# Altium PCB MotherBoard.PcbDoc (part 1 of 10) (continued)
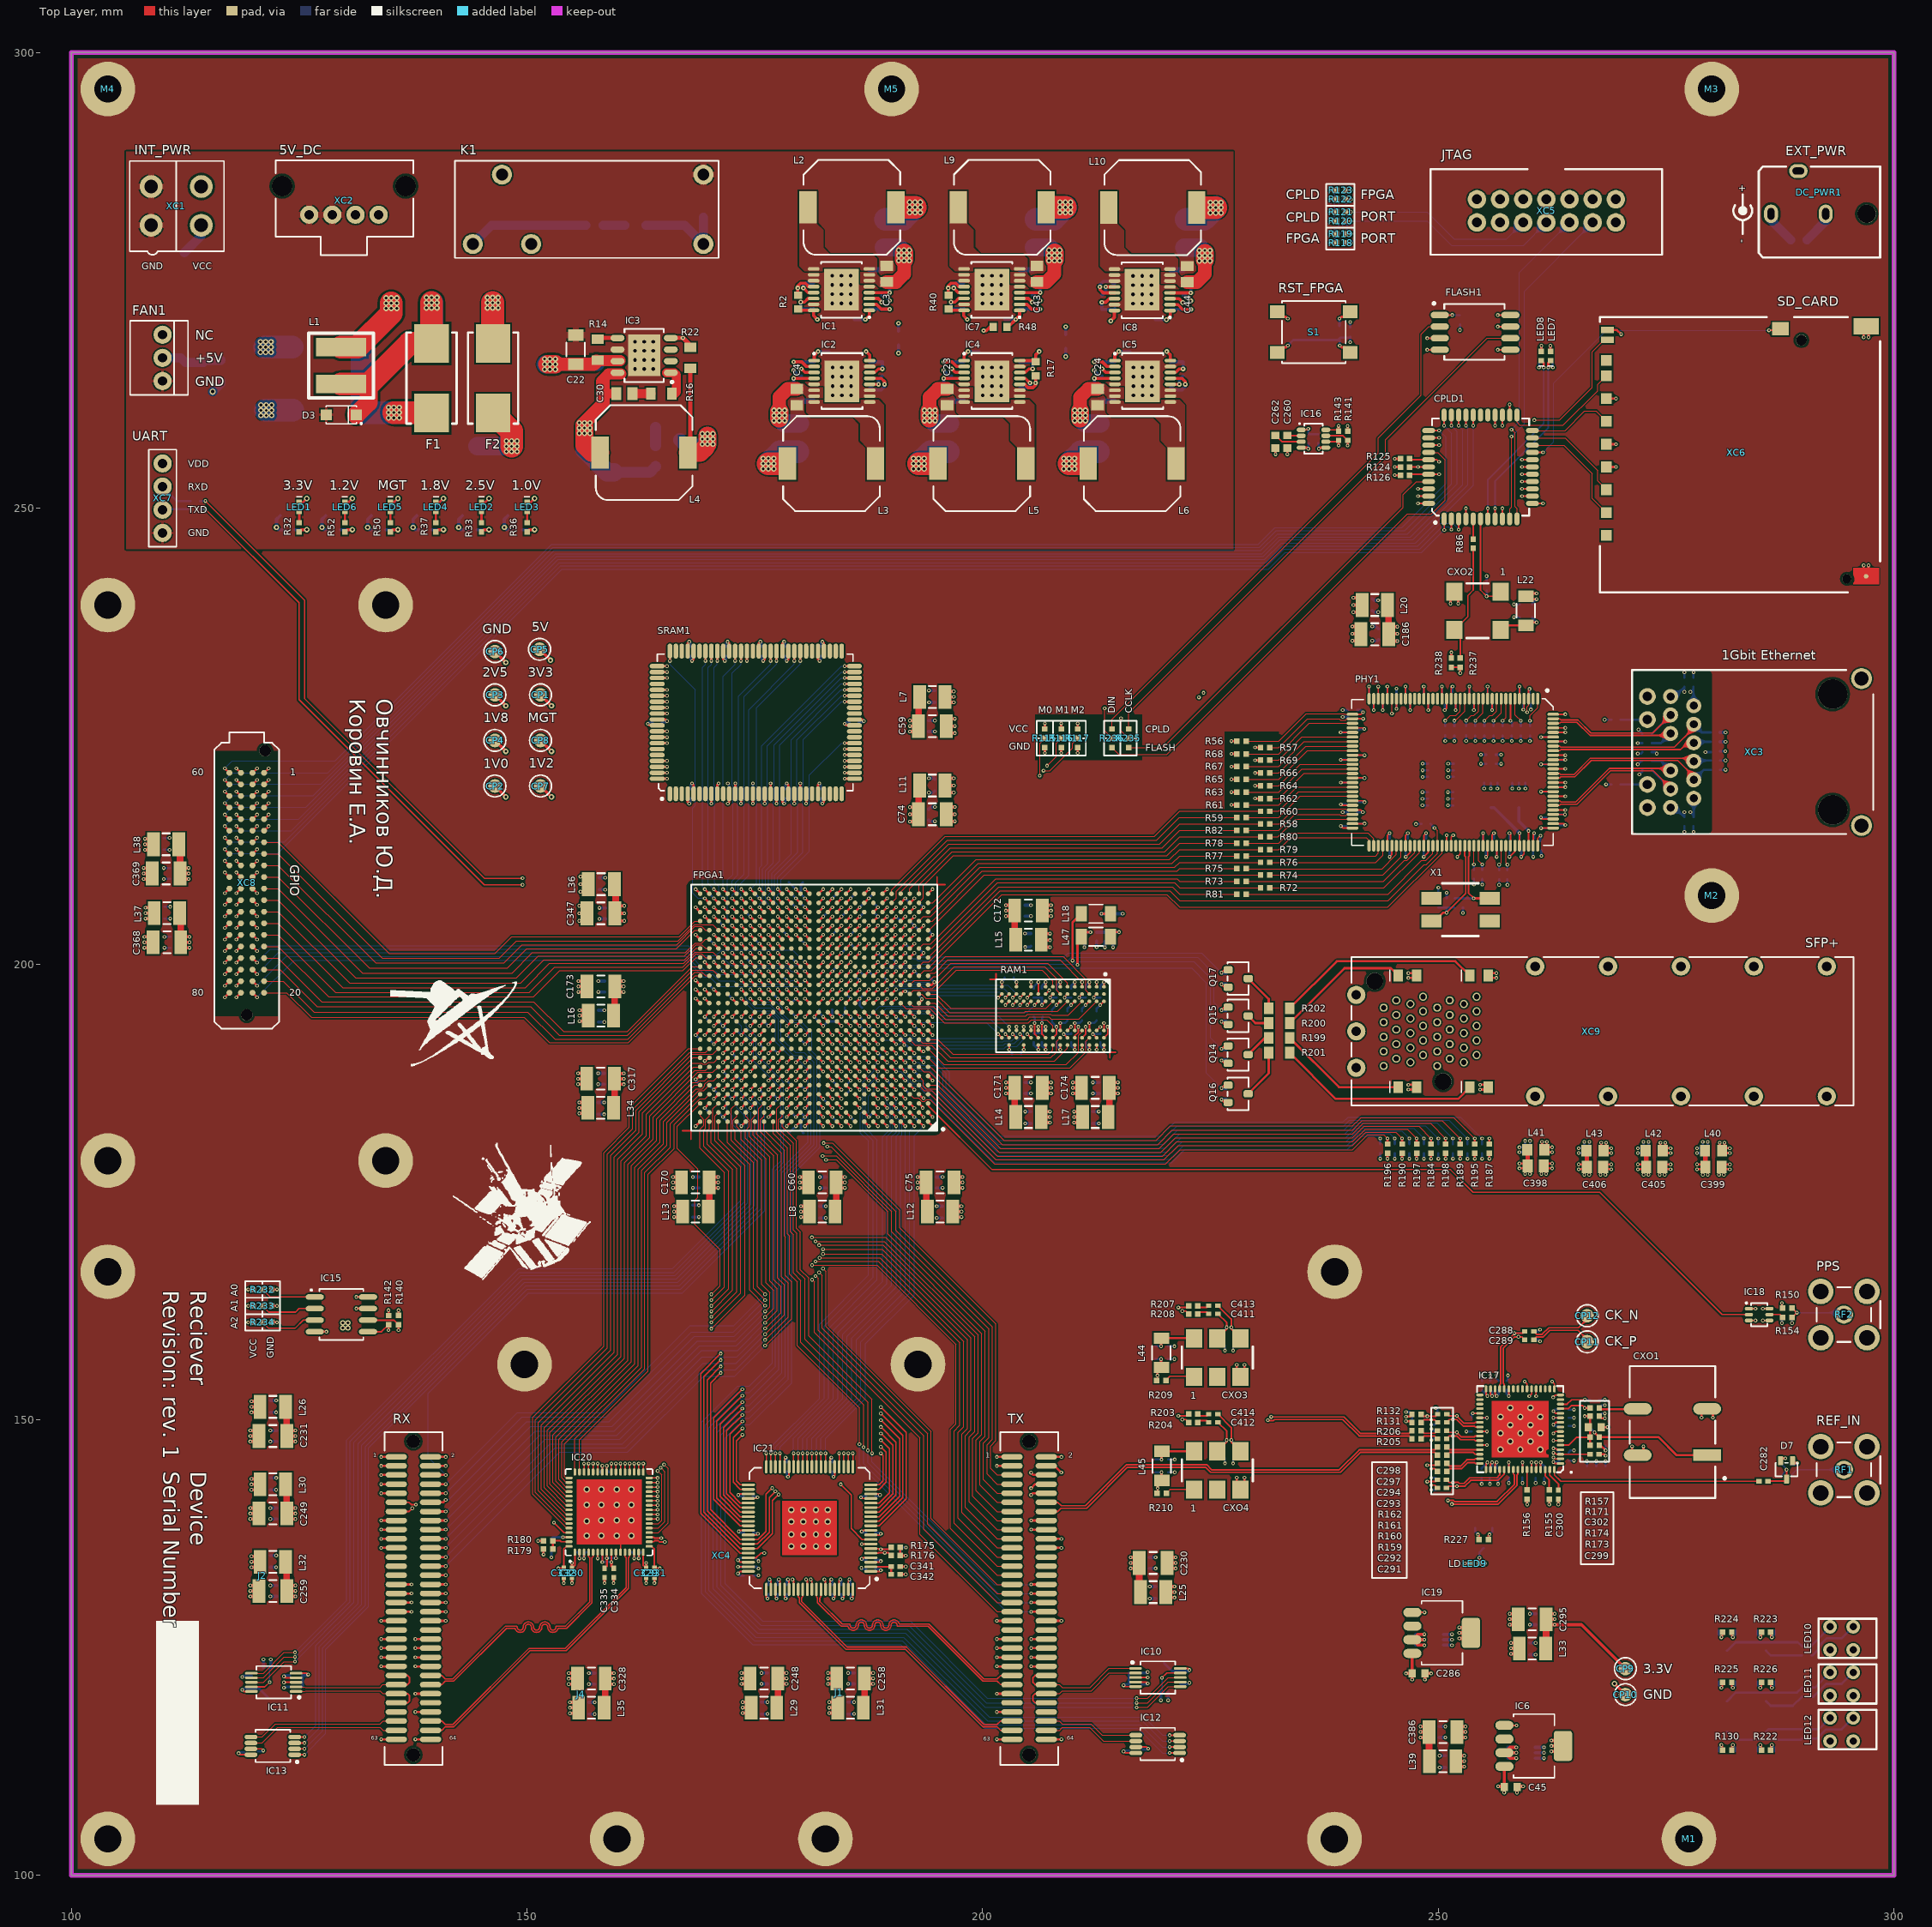
[diagram p0: Top Layer view]
## Components (designator, comment, footprint, x,y, rotation, side; value= is the part's Value field where it differs from the comment) (continued)
C294 "Cap" С0402 250.408,148.8 r0 top
C295 "Cap" C1210 260.3,128.1 r0 top
C296 "Cap" C1210 249.025,125.85 r0 bottom
C297 "Cap" С0402 250.416,149.7 r0 top
C298 "Cap" С0402 250.416,150.6 r0 top
C299 "Cap" С0402 267.15,146.2 r180 top
C300 "Cap" С0402 263.168,141.775 r270 top
C301 "Cap" С0402 267.15,152.175 r0 bottom
C302 "Cap" C0603 267.15,149.175 r180 top
C303 "Cap" C1210 267.325,146.05 r270 bottom
C304 "Cap" C0603 267.15,149.175 r180 bottom
C305 "Cap" C0603 157.101,183.5 r0 bottom
C306 "Cap" С0402 183.5,144.825 r90 bottom
C307 "Cap" С0402 187.725,133.6 r0 bottom
C308 "Cap" С0402 178.5,144.825 r90 bottom
C309 "Cap" С0402 187.725,134.6 r0 bottom
C310 "Cap" C0603 157.101,184.9 r0 bottom
C311 "Cap" С0402 174.275,141.6 r180 bottom
C312 "Cap" С0402 187.725,137.6 r0 bottom
C313 "Cap" С0402 174.315,137.6 r180 bottom
C314 "Cap" С0402 187.725,141.6 r180 bottom
C315 "Cap" C0603 159.176,186.7 r180 bottom
C316 "Cap" C0603 159.176,188.1 r180 bottom
C317 "Cap" C1210 158.076,187.4 r180 top
C318 "Cap" C0603 156.077,119.084 r0 bottom
C319 "Cap" C0603 156.077,117.684 r0 bottom
C320 "Cap" C0603 158.152,122.284 r180 bottom
C321 "Cap" С0402 178.5,131.375 r270 bottom
C322 "Cap" С0402 185.5,131.375 r270 bottom
C323 "Cap" С0402 177.5,131.375 r270 bottom
C324 "Cap" С0402 184.5,131.375 r270 bottom
C325 "Cap" C0603 158.152,120.884 r180 bottom
C326 "Cap" С0402 176.5,131.375 r270 bottom
C327 "Cap" С0402 183.5,131.375 r270 bottom
C328 "Cap" C1210 157.052,121.584 r180 top
C329 "Cap" С0402 163.075,133.175 r90 top
C330 "Cap" С0402 154.925,133.175 r90 top
C331 "Cap" С0402 163.975,133.175 r90 top
C332 "Cap" С0402 154.025,133.175 r90 top
C333 "Cap" С0402 158.5,144.25 r180 bottom
C334 "Cap" С0402 159.5,133.175 r90 top
C335 "Cap" С0402 158.5,133.175 r270 top
C336 "Cap" C0603 159,135.65 r0 bottom
C337 "Cap" С0402 156,135.45 r0 bottom
C338 "Cap" C0603 152.675,136.25 r90 bottom
C339 "Cap" С0402 162,135.45 r0 bottom
C340 "Cap" С0402 174.275,134.8 r0 bottom
C341 "Cap" С0402 190.45,133.875 r0 top
C342 "Cap" С0402 190.45,133.025 r180 top
C343 "Cap" C0603 157.125,209.45 r0 bottom
C344 "Cap" C0603 157.125,208.05 r0 bottom
C345 "Cap" C0603 159.2,206.25 r180 bottom
C346 "Cap" C0603 159.2,204.85 r180 bottom
C347 "Cap" C1210 158.1,205.55 r0 top
C348 "Cap" С0402 167.95,218.7 r270 bottom
C349 "Cap" С0402 185.9,226.5 r0 bottom
C350 "Cap" С0402 172.175,218.7 r270 bottom
C351 "Cap" С0402 182.25,234.3 r90 bottom
C352 "Cap" С0402 174.775,218.7 r270 bottom
C353 "Cap" С0402 178.35,234.3 r90 bottom
C354 "Cap" С0402 178.35,218.7 r270 bottom
C355 "Cap" С0402 175.75,234.3 r90 bottom
C356 "Cap" С0402 182.25,218.7 r270 bottom
C357 "Cap" С0402 171.85,234.3 r90 bottom
C358 "Cap" С0402 164.3,226.5 r180 bottom
C359 "Cap" С0402 167.95,234.3 r90 bottom
C360 "Cap" C0603 109.5,204.85 r0 bottom
C361 "Cap" C0603 109.425,212.425 r0 bottom
C362 "Cap" C0603 109.5,206.3 r0 bottom
C363 "Cap" C0603 109.425,213.825 r0 bottom
C364 "Cap" C0603 111.576,201.675 r180 bottom
C365 "Cap" C0603 111.501,209.225 r180 bottom
C366 "Cap" C0603 111.576,203.075 r180 bottom
C367 "Cap" C0603 111.501,210.625 r180 bottom
C368 "Cap" C1210 110.476,202.375 r180 top
C369 "Cap" C1210 110.401,209.925 r0 top
C370 "Cap" С0402 185.5,207.7 r180 bottom
C371 "Cap" С0402 183.5,207.7 r0 bottom
C372 "Cap" С0402 187.5,206.675 r0 bottom
C373 "Cap" С0402 188.5,183.7 r0 bottom
C374 "Cap" С0402 183.5,182.7 r180 bottom
C375 "Cap" С0402 188.5,184.7 r0 bottom
C376 "Cap" С0402 187.5,207.7 r180 bottom
C377 "Cap" С0402 179.5,207.7 r180 bottom
C378 "Cap" С0402 179.5,206.7 r0 bottom
C379 "Cap" С0402 185.5,182.7 r0 bottom
C380 "Cap" С0402 179.5,183.7 r0 bottom
C381 "Cap" С0402 179.5,184.7 r180 bottom
C382 "Cap" C0603 251.475,113.225 r180 bottom
C383 "Cap" C0603 251.475,111.825 r180 bottom
C384 "Cap" C0603 249.425,116.425 r0 bottom
C385 "Cap" C0603 249.425,115.025 r0 bottom
C386 "Cap" C1210 250.5,115.725 r180 top
C387 "Cap" С0402 183.5,205.7 r180 bottom
C388 "Cap" С0402 187.5,205.7 r0 bottom
C389 "Cap" С0402 185.5,205.7 r180 bottom
C390 "Cap" С0402 185.5,186.7 r0 bottom
C391 "Cap" С0402 183.5,184.7 r0 bottom
C392 "Cap" С0402 185.5,185.7 r0 bottom
C393 "Cap" С0402 185.5,203.7 r180 bottom
C394 "Cap" С0402 183.5,203.7 r180 bottom
C395 "Cap" С0402 183.5,186.7 r180 bottom
C396 "Cap" С0402 183.5,185.7 r180 bottom
C397 "Cap" C0805 279.286,178.625 r270 bottom
C398 "Cap" C0805 260.686,177.825 r0 top
C399 "Cap" C0805 280.186,177.725 r0 top
C400 "Cap" C0805 259.786,178.725 r270 bottom
C401 "Cap" C0805 281.086,178.625 r270 bottom
C402 "Cap" C0805 261.586,178.725 r270 bottom
C403 "Cap" C0805 272.786,178.625 r270 bottom
C404 "Cap" C0805 266.286,178.625 r270 bottom
C405 "Cap" C0805 273.686,177.725 r0 top
C406 "Cap" C0805 267.186,177.725 r0 top
C407 "Cap" C0805 274.586,178.625 r270 bottom
C408 "Cap" C0805 268.086,178.625 r270 bottom
C409 "Cap" C0603 219.592,157.994 r0 bottom
C410 "Cap" C0603 219.65,145.625 r0 bottom
C411 "Cap" С0402 225.3,161.6 r0 top
C412 "Cap" С0402 225.3,149.7 r0 top
C413 "Cap" С0402 225.3,162.5 r0 top
C414 "Cap" С0402 225.3,150.6 r0 top
C415 "Cap" C0603 219.592,156.594 r180 bottom
C416 "Cap" C0603 219.65,144.225 r180 bottom
C422 "Cap" С0402 206.5,191.9 r270 bottom
C423 "Cap" С0402 209.3,194.3 r90 bottom
C424 "Cap" С0402 203.7,190.1 r0 bottom
C425 "Cap" С0402 212.5,202.988 r270 bottom
C426 "Cap" С0402 211.3,196.8 r90 bottom
C427 "Cap" С0402 209.7,191.9 r270 bottom
C428 "Cap" С0402 209.7,196.8 r270 bottom
C429 "Cap" С0402 210.9,194.3 r270 bottom
C430 "Cap" С0402 207.6,194.3 r270 bottom
C431 "Cap" С0402 212.5,194.3 r270 bottom
C432 "Cap" С0402 202.9,198.5 r180 bottom
C433 "Cap" С0402 211.161,202.988 r90 bottom
C434 "Cap" С0402 212.9,191.9 r270 bottom
C435 "Cap" С0402 212.9,196.8 r270 bottom
C436 "Cap" С0402 208.1,191.9 r270 bottom
C437 "Cap" С0402 206.5,196.8 r90 bottom
C438 "Cap" С0402 211.3,191.9 r270 bottom
C439 "Cap" С0402 208.1,196.8 r270 bottom
CP1 "3V3" "Control Point" 151.475,229.525 r90 top
CP2 "1V0" "Control Point" 146.475,219.525 r90 top
CP3 "2V5" "Control Point" 146.475,229.525 r90 top
CP4 "1V8" "Control Point" 146.475,224.525 r90 top
CP5 "5V" "Control Point" 151.375,234.525 r90 top
CP6 "GND" "Control Point" 146.475,234.275 r90 top
CP7 "1V2" "Control Point" 151.475,219.525 r90 top
CP8 "MGT" "Control Point" 151.475,224.525 r90 top
CP9 "3.3V" "Control Point" 270.525,122.675 r0 top
CP10 "GND" "Control Point" 270.525,119.825 r90 top
CP11 "CK_P" "Control Point" 266.325,158.539 r90 top
CP12 "CK_N" "Control Point" 266.325,161.4 r90 top
CPLD1 "XC9572XL" VQFP44 254.625,254.525 r90 top locked
CXO1 "CVHD-950" CVHD-950 279.5,146.1 r180 top locked
CXO2 "C3391" CTS_CB3 254.3,238.75 r180 top locked
CXO3 "C3391" "5x7 CXO LVPECL" 225.75,156.8 r0 top locked
CXO4 "C3391" "5x7 CXO LVPECL" 225.75,144.425 r0 top locked
D1 "B550C" Diode_SMC 128.09,267.75 r180 bottom
D2 "B550C" Diode_SMC 128.09,260.765 r180 bottom
D3 "Supressor" SMF 129.614,260.257 r180 top
D4 "D Schottky" SD0805 157.4,281.039 r180 bottom locked
D5 "B550C" Diode_SMC 159.531,257.75 r90 bottom
D6 "Supressor" SMF 142.9,256.8 r180 bottom
D7 "HSMS-281C" SOT-323 288.2,144.5 r180 top locked
DC_PWR1 "EXT_PWR" DC_CONNECTOR 293.4,282.5 r90 top
F1 "Fuse" Fuse 139.52,264.279 r90 top
F2 "Fuse" Fuse 146.27,264.279 r90 top
FAN1 "FAN" FAN_HDR 110,266.5 r90 top
FLASH1 "N25Q128A" SOIC8-W 250.15,271.2 r0 top locked
FPGA1 "XC7A200T-2FBG676C" FGG676 181.5,195.2 r180 top locked
IC1 "LM20154" LM201xx 187.548,271.714 r180 top
IC2 "LM20133" LM201xx 181.5,266.2 r0 top
IC3 "RT8289" RT8289 162.85,266.769 r180 top
IC4 "LM20154" LM201xx 197.962,266.2 r0 top
IC5 "LM20133" LM201xx 214.5,266.2 r0 top
IC6 "LP38692" SOT-223-5 260.5,114.2 r270 top
IC7 "LM20154" LM201xx 204.048,271.714 r180 top
IC8 "LM20133" LM201xx 220.548,271.689 r180 top
IC10 "AD5663" MSOP-10 219.225,121.7 r0 top locked
IC11 "AD5663" MSOP-10 122.2,121.175 r180 top locked
IC12 "AD7922" MSOP-8 219.2,114.4 r180 top locked
IC13 "AD7922" MSOP-8 122.1,114.2 r180 top
IC15 "24lc024" SOIC_SN8 129.625,161.55 r0 top locked
IC16 "MAX6749KA+T" SOT-23-8 236.3,257.625 r0 top locked
IC17 "AD9516" LFCSP-64 263.4,145.2 r180 top locked
IC18 "ADG3301" SOT-23-6 285.2,161.525 r0 top locked
IC19 "LP38692" SOT-223-5 250.4,126.6 r270 top
IC20 "LTC2185" QFN-64 155.25,135.45 r90 top locked
IC21 "AD9777" TQFP-80-EP 181,138.1 r180 top locked
J1 "JMP" JUMPER 184.2,120.05 r90 top net-tie
J2 "JMP" JUMPER 120.925,132.9 r270 top net-tie
J4 "JMP" JUMPER 155.9,119.875 r90 top net-tie
K1 "5VDC" G6RL 159.35,282.8 r180 top
L1 "Inductor Power" XAL6060-223 129.6,265.65 r90 top
L2 "Inductor Power" "Coilcraft MSS1038" 185.648,283.014 r0 top
L3 "Inductor Power" "Coilcraft MSS1038" 183.4,254.9 r180 top
L4 "Inductor Power" "Coilcraft MSS1048" 162.833,256.099 r0 top
L5 "Inductor Power" "Coilcraft MSS1038" 199.9,254.9 r180 top
L6 "Inductor Power" "Coilcraft MSS1038" 216.4,254.9 r180 top
L7 "Inductor_LF" "L1210_Murata LQH" 194.475,229.3 r0 top
L8 "Inductor_LF" "L1210_Murata LQH" 182.4,172.825 r180 top
L9 "Inductor Power" "Coilcraft MSS1038" 202.148,283.014 r0 top
L10 "Inductor Power" "Coilcraft MSS1038" 218.648,282.989 r0 top
L11 "Inductor_LF" "L1210_Murata LQH" 194.475,219.575 r0 top
L12 "Inductor_LF" "L1210_Murata LQH" 195.324,172.825 r0 top
L13 "Inductor_LF" "L1210_Murata LQH" 168.475,172.825 r180 top
L14 "Inductor_LF" "L1210_Murata LQH" 205.024,183.2 r180 top
L15 "Inductor_LF" "L1210_Murata LQH" 205.024,202.65 r0 top
L16 "Inductor_LF" "L1210_Murata LQH" 158.1,194.325 r180 top
L17 "Inductor_LF" "L1210_Murata LQH" 212.364,183.2 r180 top
L18 "Inductor_LF" L1206_Murata 212.414,205.505 r0 top
L19 "Inductor_LF" L0805_Murata_LQG 185.8,195.2 r180 bottom
L20 "Inductor_LF" "L1210_Murata LQH" 243.022,239.375 r180 top
L22 "Inductor_LF" L1206_Murata 259.6,238.75 r270 top
L23 "Inductor_LF" "L1210_Murata LQH" 250.625,221.275 r0 bottom
L24 "Inductor_LF" "L1210_Murata LQH" 250.625,218.15 r0 bottom
L25 "Inductor_LF" "L1210_Murata LQH" 218.7,131.075 r180 top
L26 "Inductor_LF" "L1210_Murata LQH" 122.1,151.4 r180 top
L27 "Inductor_LF" L1206_Murata 219.9,121.7 r90 bottom
L28 "Inductor_LF" L1206_Murata 121.525,121.175 r270 bottom
L29 "Inductor_LF" "L1210_Murata LQH" 176,118.4 r180 top
L30 "Inductor_LF" "L1210_Murata LQH" 122.1,142.9 r180 top
L31 "Inductor_LF" "L1210_Murata LQH" 185.5,118.4 r0 top
L32 "Inductor_LF" "L1210_Murata LQH" 122.1,134.4 r0 top
L33 "Inductor_LF" L1210_Murata 260.3,124.9 r180 top
L34 "Inductor_LF" "L1210_Murata LQH" 158.076,184.2 r180 top
L35 "Inductor_LF" "L1210_Murata LQH" 157.052,118.384 r0 top
L36 "Inductor_LF" L1210_Murata 158.125,208.75 r180 top
L37 "Inductor_LF" "L1210_Murata LQH" 110.475,205.575 r180 top
L38 "Inductor_LF" "L1210_Murata LQH" 110.4,213.125 r180 top
L39 "Inductor_LF" L1210_Murata 250.5,112.525 r0 top
L40 "Inductor_LF" L0805_Murata_LQG 280.186,179.525 r0 top
L41 "Inductor_LF" L0805_Murata_LQG 260.686,179.625 r180 top
L42 "Inductor_LF" L0805_Murata_LQG 273.686,179.525 r0 top
L43 "Inductor_LF" L0805_Murata_LQG 267.186,179.525 r180 top
L44 "Inductor_LF" L1206_Murata 219.6,157.325 r90 top
L45 "Inductor_LF" L1206_Murata 219.65,144.925 r90 top
L47 "Inductor_LF" L1206_Murata 212.414,202.988 r0 top
LED1 "3.3V" LED_0402_Blue 125,250.15 r270 top locked
LED2 "2.5V" LED_0402_Blue 145,250.15 r270 top locked
LED3 "1.0V" LED_0402_Blue 150,250.15 r270 top locked
LED4 "1.8V" LED_0402_Blue 140,250.15 r270 top locked
LED5 "MGT" LED_0402_Blue 135,250.15 r270 top locked
LED6 "1.2V" LED_0402_Blue 130,250.15 r270 top locked
LED7 "LED" LED_0402_Blue 262.3,266.708 r90 top
LED8 "LED" LED_0402_Blue 261.3,266.708 r90 top
LED9 "LD" LED_0402_Blue 254,134.225 r180 top
LED10 "Green" LED_PACK 294.25,126 r270 top locked
LED11 "Green" LED_PACK 294.25,121 r270 top locked
LED12 "Green" LED_PACK 294.25,116 r270 top locked
M1 "Via" Mechanical_Via 277.5,104 r0 top
M2 "Via" Mechanical_Via 280,207.5 r0 top
M3 "Via" Mechanical_Via 280,296 r0 top
M4 "Via" Mechanical_Via 104,296 r0 top
M5 "Via" Mechanical_Via 190,296 r0 top
PHY1 "DP83865" LQFP-128 260.9,229.1 r270 top locked
Q1 "2N7002" SOT-23 124,250.15 r270 bottom locked
Q2 "2N7002" SOT-23 144,250.15 r270 bottom locked
Q3 "2N7002" SOT-23 149,250.15 r270 bottom locked
Q4 "2N7002" SOT-23 139,250.15 r270 bottom locked
Q5 "2N7002" SOT-23 134,250.15 r270 bottom locked
Q6 "2N7002" SOT-23 129,250.15 r270 bottom locked
Q7 "2N7002" SOT-23 281.683,114.67 r0 bottom
Q8 "2N7002" SOT-23 285.958,114.67 r0 bottom
Q9 "2N7002" SOT-23 285.958,125.745 r180 bottom
Q10 "2N7002" SOT-23 281.683,125.745 r180 bottom
Q11 "2N7002" SOT-23 281.683,120.2 r180 bottom
Q12 "2N7002" SOT-23 285.958,120.2 r180 bottom
Q13 "2N7002" SOT-23 254.975,137 r180 bottom
Q14 "2N7002" SOT-23 228.025,190.05 r90 top
Q15 "2N7002" SOT-23 228.025,194.3 r90 top
Q16 "2N7002" SOT-23 228.025,185.75 r90 top
Q17 "2N7002" SOT-23 228.025,198.4 r90 top
R1 "Res" R0603 188.948,275.414 r270 bottom
R2 "Res" R0603 179.748,272.614 r90 top
R3 "Res" R0603 180.1,262.5 r90 bottom
R4 "Res" R0603 180.048,272.614 r270 bottom
R5 "Res" R0603 189,265.3 r90 bottom
R6 "Res" R0805 116.4,265.1 r270 bottom
R7 "Res" R0805 161.9,281.039 r180 bottom locked
R8 "Res" R0603 183.9,267.2 r180 bottom
R9 "Res" R0603 188.948,272.614 r270 bottom
R10 "Res" R0603 187.548,272.614 r90 bottom
R11 "Res" R0603 180.1,265.3 r90 bottom
R12 "Res" R0603 181.5,265.3 r270 bottom
R13 "Res" R0603 190.8,268.7 r270 bottom
R14 "Res" R0805 157.753,267.402 r270 top
R15 "Res" R0603 196.6,262.5 r90 bottom
R16 "Res" R0805 164.738,262.576 r180 top
R17 "Res" R0603 205.8,265.3 r90 top
R18 "Res" R0603 213.1,262.5 r90 bottom
R19 "Res" R0805 164.103,255.718 r90 bottom
R20 "Res" R0603 205.5,265.3 r90 bottom
R21 "Res" R0603 222,265.3 r90 bottom
R22 "Res" R0805 167.913,266.513 r270 top
R23 "Res" R0805 167.913,266.513 r90 bottom
R24 "Res" R0603 216.9,267.2 r180 bottom
R25 "Res" R0603 196.6,265.3 r90 bottom
R26 "Res" R0603 198,265.3 r270 bottom
R27 "Res" R0603 213.1,265.3 r90 bottom
R28 "Res" R0603 214.5,265.3 r270 bottom
R29 "Res" R0603 209.15,268.325 r270 bottom
R30 "Res" R0402 124,247.65 r0 bottom locked
R31 "Res" R0402 144,247.65 r0 bottom locked
R32 "Res" R0402 125,247.9 r270 top locked
R33 "Res" R0402 145,247.9 r270 top locked
R34 "Res" R0402 149,247.65 r0 bottom locked
R35 "Res" R0402 139,247.65 r0 bottom locked
R36 "Res" R0402 150,247.9 r270 top locked
R37 "Res" R0402 140,247.9 r270 top locked
R38 "Res" R0603 205.448,275.414 r270 bottom
R39 "Res" R0603 221.948,275.389 r90 bottom
R40 "Res" R0603 196.248,272.614 r90 top
R41 "Res" R0603 196.548,272.614 r270 bottom
R42 "Res" R0603 213.048,272.589 r90 bottom
R43 "Res" R0603 201.65,270.725 r180 bottom
R44 "Res" R0603 205.448,272.614 r270 bottom
R45 "Res" R0603 204.048,272.614 r90 bottom
R46 "Res" R0603 221.948,272.589 r270 bottom
R47 "Res" R0603 220.548,272.589 r90 bottom
R48 "Res" R0603 201.9,269.9 r0 top
R49 "Res" R0402 134,247.65 r0 bottom locked
R50 "Res" R0402 135,247.9 r270 top locked
R51 "Res" R0402 129,247.65 r0 bottom locked
R52 "Res" R0402 130,247.9 r270 top locked
R53 "Res" R0402 240.6,227.85 r0 bottom
R54 "Res" R0402 240.6,216.65 r0 bottom
R55 "Res" R0402 240.6,226.95 r180 bottom
R56 "Res" R0402 228.4,224.45 r0 top
R57 "Res" R0402 231,223.75 r0 top
R58 "Res" R0402 231,215.35 r0 top
R59 "Res" R0402 228.4,216.05 r180 top
R60 "Res" R0402 231,216.75 r180 top
R61 "Res" R0402 228.4,217.45 r180 top
R62 "Res" R0402 231,218.15 r180 top
R63 "Res" R0402 228.4,218.85 r180 top
R64 "Res" R0402 231,219.55 r180 top
R65 "Res" R0402 228.4,220.25 r180 top
R66 "Res" R0402 231,220.95 r180 top
R67 "Res" R0402 228.4,221.65 r180 top
R68 "Res" R0402 228.4,223.05 r180 top
R69 "Res" R0402 231,222.35 r180 top
R70 "Res" R0402 255.775,221.956 r0 bottom
R71 "Res" R0402 255.775,222.956 r0 bottom
R72 "Res" R0402 231,208.35 r180 top
R73 "Res" R0402 228.4,209.05 r180 top
R74 "Res" R0402 231,209.75 r180 top
R75 "Res" R0402 228.4,210.45 r180 top
R76 "Res" R0402 231,211.15 r180 top
R77 "Res" R0402 228.4,211.85 r180 top
R78 "Res" R0402 228.4,213.25 r180 top
R79 "Res" R0402 231,212.55 r180 top
R80 "Res" R0402 231,213.95 r180 top
R81 "Res" R0402 228.4,207.65 r180 top
R82 "Res" R0402 228.4,214.65 r180 top
R83 "Res" R0402 261.3,212.971 r270 bottom
R84 "Res" R0402 245.4,229.1 r90 bottom
R85 "Res" R0402 255.3,241.45 r90 bottom
R86 "Res" R0402 253.825,246.108 r270 top
R87 "Res" R0402 248.65,215.35 r0 bottom
R88 "Res" R0402 260.25,229.025 r90 bottom
R89 "Res" R0402 260.05,225.575 r270 bottom
R90 "Res" R0402 259.05,225.575 r270 bottom
R91 "Res" R0402 253.05,225.583 r90 bottom
R92 "Res" R0402 251.75,225.583 r270 bottom
R93 "Res" R0402 250.75,225.583 r90 bottom
R94 "Res" R0402 257.575,209.783 r90 bottom
R95 "Res" R0402 256.675,209.783 r90 bottom
R96 "Res" R0402 254.806,209.817 r90 bottom
R97 "Res" R0402 253.906,209.817 r90 bottom
R98 "Res" R0402 272.9,221.3 r0 bottom
R99 "Res" R0402 272.9,222.275 r0 bottom
R100 "Res" R0402 280.4,222.325 r180 bottom
R101 "Res" R0402 280.4,221.3 r180 bottom
R102 "Res" R0402 280.4,224.375 r180 bottom
R103 "Res" R0402 280.4,225.4 r180 bottom
R104 "Res" R0402 272.9,225.2 r0 bottom
R105 "Res" R0402 272.9,224.225 r0 bottom
R106 "Res" R0402 269.5,219.7 r180 bottom
R107 "Res" R0402 269.5,226.8 r0 bottom
R108 "Res" R0402 258.05,225.575 r90 bottom
R109 "Res" R0402 257.05,225.575 r90 bottom
R110 "Res" R0402 256.05,225.575 r270 bottom
R111 "Res" R0402 255.05,225.575 r270 bottom
R112 "Res" R0402 254.05,225.575 r270 bottom
R113 "Res" R0402 262.3,266.708 r270 bottom
R114 "Res" R0402 261.3,266.708 r270 bottom
R115 "Res_Switch" R0402_Switch 206.816,224.761 r270 top
R116 "Res_Switch" R0402_Switch 208.616,224.761 r270 top
R117 "Res_Switch" R0402_Switch 210.416,224.761 r270 top
R118 "Res" R0402 239.292,279.1 r180 top
R119 "Res" R0402 239.292,280.1 r180 top
R120 "Res" R0402 239.292,281.5 r180 top
R121 "Res" R0402 239.292,282.5 r180 top
R122 "Res" R0402 239.292,283.9 r180 top
R123 "Res" R0402 239.292,284.9 r180 top
R124 "Res" R0402 246.34,254.525 r0 top
R125 "Res" R0402 246.34,255.425 r180 top
R126 "Res" R0402 246.34,253.625 r0 top
R127 "Res" R0402 252.375,270.675 r90 bottom
R128 "Res" R0402 236.825,257.625 r270 bottom
R129 "Res" R0402 235.775,257.625 r90 bottom
R130 "Res" R0402 281.683,113.75 r180 top
R131 "Res" R0402 247.609,149.681 r0 top
R132 "Res" R0402 247.609,150.581 r0 top
R133 "Res" R0402 240.325,269.325 r90 bottom
R134 "Res" R0402 191,203.25 r90 bottom
R135 "Res" R0402 113.6,250.8 r180 bottom
R136 "Res" R0402 113.6,249.9 r180 bottom
R137 "Res" R0402 254,134.225 r0 bottom
R138 "Res" R0402 247.609,149.681 r180 bottom
R139 "Res" R0402 247.609,150.581 r0 bottom
R140 "Res" R0402 135.9,160.925 r90 top
R141 "Res" R0402 240.05,257.95 r90 top
R142 "Res" R0402 134.8,160.915 r90 top
R143 "Res" R0402 239.05,257.957 r90 top
R144 "Res" R0402 290.4,115 r180 bottom
R145 "Res" R0402 290.4,116.025 r180 bottom
R146 "Res" R0402 290.4,120.6 r0 bottom
R147 "Res" R0402 290.4,119.6 r0 bottom
R148 "Res" R0402 290.4,125.125 r0 bottom
R149 "Res" R0402 290.4,124.125 r180 bottom
R150 "Res" R0402 288.292,162.225 r0 top locked
R151 "Res" R0402 288.2,143.9 r0 bottom locked
R152 "Res" R0402 288.2,145.1 r0 bottom locked
R153 "Res" R0402 288.8,161.725 r90 bottom locked
R154 "Res" R0402 288.292,161.225 r0 top locked
R155 "Res" R0402 262.168,141.775 r90 top
R156 "Res" R0402 259.725,141.775 r90 top
R157 "Res" R0402 267.15,151.275 r0 top
R158 "Res" R0402 267.15,151.275 r0 bottom
R159 "Res" R0402 250.408,144.3 r0 top
R160 "Res" R0402 250.408,145.2 r0 top
R161 "Res" R0402 250.408,146.1 r0 top
R162 "Res" R0402 250.408,147 r0 top
R163 "Res" R0402 259.975,158.781 r180 bottom
R164 "Res" R0402 259.975,159.675 r180 bottom
R165 "Res" R0402 250.4,142.5 r0 bottom
R166 "Res" R0402 250.4,143.4 r0 bottom
R167 "Res" R0402 250.4,147.9 r0 bottom
R168 "Res" R0402 250.4,148.8 r0 bottom
R169 "Res" R0402 250.4,149.7 r0 bottom
R170 "Res" R0402 250.4,150.6 r0 bottom
R171 "Res" R0402 267.15,150.375 r180 top
R172 "Res" R0402 267.15,150.375 r0 bottom
R173 "Res" R0402 267.15,147.175 r0 top
R174 "Res" R0402 267.15,148.075 r180 top
R175 "Res" R0402 190.45,135.975 r0 top
R176 "Res" R0402 190.45,135.075 r0 top
R177 "Res" R0402 190.45,135.075 r0 bottom
R178 "Res" R0402 190.45,135.975 r0 bottom
R179 "Res" R0402 152.317,135.8 r0 top
R180 "Res" R0402 152.317,136.7 r180 top
R181 "Res" R0402 174.275,133.85 r0 bottom
R182 "Res" R0402 174.275,132.9 r0 bottom
R183 "Res" R0402 254.8,179.735 r270 bottom
R184 "Res" R0402 249.2,179.735 r270 top
R185 "Res" R0402 253.2,179.735 r270 bottom
R186 "Res" R0402 246.82,179.735 r270 bottom
R187 "Res" R0402 255.6,179.735 r270 top
R188 "Res" R0402 243.62,179.735 r270 bottom
R189 "Res" R0402 252.4,179.735 r270 top
R190 "Res" R0402 246.02,179.735 r270 top
R191 "Res" R0402 248.42,179.734 r270 bottom
R192 "Res" R0402 245.22,179.735 r270 bottom
R193 "Res" R0402 251.6,179.735 r270 bottom
R194 "Res" R0402 250,179.735 r270 bottom
R195 "Res" R0402 254,179.735 r270 top
R196 "Res" R0402 244.42,179.735 r270 top
R197 "Res" R0402 247.62,179.735 r270 top
R198 "Res" R0402 250.8,179.735 r270 top
R199 "Res" R0805 232.525,191.885 r0 top
R200 "Res" R0805 232.525,193.51 r180 top
R201 "Res" R0805 232.525,190.26 r0 top
R202 "Res" R0805 232.525,195.135 r180 top
R203 "Res" R0402 223.1,150.6 r180 top
R204 "Res" R0402 223.1,149.7 r180 top
R205 "Res" R0402 247.609,147.905 r180 top
R206 "Res" R0402 247.609,148.805 r180 top
R207 "Res" R0402 223.1,162.5 r180 top
R208 "Res" R0402 223.1,161.6 r180 top
R209 "Res" R0402 219.6,154.3 r0 top
R210 "Res" R0402 219.65,141.925 r0 top
R211 "Res" R0402 226.575,158.7 r90 bottom
R212 "Res" R0402 227.475,158.7 r90 bottom
R213 "Res" R0402 226.625,146.325 r90 bottom
R214 "Res" R0402 227.525,146.325 r90 bottom
R215 "Res" R0603 179.5,208.95 r180 bottom
R216 "Res" R0603 179.5,181.45 r180 bottom
R217 "Res" R0402 205.6,196.8 r90 bottom
R218 "Res" R0402 206.1,194.2 r180 bottom
R219 "Res" R0402 205.6,191.9 r270 bottom
R220 "Res" R0402 214.3,202.988 r270 bottom
R221 "Res" R0402 213.4,202.988 r270 bottom
R222 "Res" R0402 285.958,113.75 r180 top
R223 "Res" R0402 285.958,126.675 r0 top
R224 "Res" R0402 281.683,126.675 r0 top
R225 "Res" R0402 281.683,121.15 r0 top
R226 "Res" R0402 285.958,121.15 r0 top
R227 "Res" R0402 254.975,136.831 r180 top
R228 "Res" R0402 226.73,190.05 r270 bottom
R229 "Res" R0402 226.73,194.3 r270 bottom
R230 "Res" R0402 226.73,185.75 r270 bottom
R231 "Res" R0402 226.73,198.4 r270 bottom
R232 "Res_Switch" R0402_Switch 120.975,164.275 r0 top
R233 "Res_Switch" R0402_Switch 120.975,162.475 r0 top
R234 "Res_Switch" R0402_Switch 120.975,160.675 r0 top
R235 "Res_Switch" R0402_Switch 216,224.761 r90 top
R236 "Res_Switch" R0402_Switch 214.2,224.761 r90 top
R237 "Res" R0402 252.4,233.05 r270 top
R238 "Res" R0402 251.425,233.05 r90 top
R239 "Res" R0402 250,206.7 r90 bottom
R240 "Res" R0402 251.8,206.7 r90 bottom
RAM1 "1Gb DRAM" BGA84 207.7,194.3 r270 top locked
RF1 "REF_IN" "SMA Angle Female With Term" 294.5,144.5 r180 top locked
RF2 "PPS" "SMA Angle Female With Term" 294.5,161.525 r180 top locked
S1 "RST_FPGA" B3FS-1000 236.325,269.325 r180 top locked
SRAM1 "CY7C1356C" TQFP-100 175.1,226.5 r90 top locked
X1 "25MHz" XTAL 252.425,205.95 r180 top locked
XC1 "INT_PWR" "2x2 PWR_HDR" 111.5,285.3 r90 top
XC2 "5V_DC" "H-DAC 64" 129.9,282.2 r180 top
XC3 "1Gbit Ethernet" 0826-1X1T-23-F 293.259,223.25 r270 top locked
XC4 "64-pin Male Mezzanine" RFX 104,104 r270 top locked
XC5 "JTAG" "JTAG Mail" 261.848,283.9 r180 top locked
XC6 "SD_CARD" SD_Card 284.5,256.25 r90 top locked
XC7 "UART" "Right Angle Male Header" 110,251.1 r90 top
XC8 "GPIO" Molex_465572545 119.24,208.9 r90 top locked
XC9 "SFP+" "SFP+ Light Pipe" 244,188.8 r90 top locked

## Footprints (in the part's own frame and the unit in brackets; to place one, negate y for a bottom-side part, rotate by r counter-clockwise, add the part's x,y. Pads: shape width x height; smd on the part's side, far side on the other; paste and mask are expansions set on the pad)
"2x2 PWR_HDR" [mm]
  round 2.5 hole 1.5: 1(-4.25,2.75) 1(0,2.75) 2(-4.25,-2.75) 2(0,-2.75)
  silkscreen extent -7.5,-5.25 2.8,5.1, body extent -7.35,-6.1 2.65,4.9, height 12.8
"5x7 CXO LVPECL" [mm] "6-pin 5x7 CXO LVPECL"
  rect 1.8x2 smd: 1(-2.54,-2.1) 2(0,-2.1) 3(2.54,-2.1) 4(2.54,2.1) 5(0,2.1) 6(-2.54,2.1)
  silkscreen extent -3.9,-1.2 3.9,1.2, body extent -3.5,-2.5 3.5,2.5, height 1.2
0826-1X1T-23-F [mil] "Gigabit Ethernet Single Port MagJack® with LEDs"
  round 90 hole 62: 0(-317.5,125) 0(317.5,125)
  round 128 hole 128 unplated: 0(-250,0) 0(250,0)
  round 65 hole 35: 1(-200,-600) 2(-120,-600) 3(-40,-600) 4(40,-600) 5(120,-600) 6(200,-600) 7(-240,-700) 8(-160,-700) 9(-80,-700) 10(80,-700) 11(160,-700) 12(240,-700)
  round 72 hole 40: 13(-240,-800) 14(-140,-800) 15(140,-800) 16(240,-800)
  silkscreen extent -354,-866 354,175, body extent -374,-859 373,428, height 609
B3FS-1000 [mm] "Push Button 6x6 mm"
  rect 1.6x1.4 smd: 1(-4,2.25) 1(4,2.25) 2(-4,-2.25) 2(4,-2.25)
  silkscreen extent -3.5,-3.4 3.5,3.4, body extent -4.5,-3 4.5,3, height 5
BGA84 [mm] "DDR2"
  round 0.41 smd: A1(-3.2,5.6) A2(-2.4,5.6) A3(-1.6,5.6) A7(1.6,5.6) A8(2.4,5.6) A9(3.2,5.6) B1(-3.2,4.8) B2(-2.4,4.8) B3(-1.6,4.8) B7(1.6,4.8) B8(2.4,4.8) B9(3.2,4.8) C1(-3.2,4) C2(-2.4,4) C3(-1.6,4) C7(1.6,4) C8(2.4,4) C9(3.2,4) D1(-3.2,3.2) D2(-2.4,3.2) D3(-1.6,3.2) D7(1.6,3.2) D8(2.4,3.2) D9(3.2,3.2) E1(-3.2,2.4) E2(-2.4,2.4) E3(-1.6,2.4) E7(1.6,2.4) E8(2.4,2.4) E9(3.2,2.4) F1(-3.2,1.6) F2(-2.4,1.6) F3(-1.6,1.6) F7(1.6,1.6) F8(2.4,1.6) F9(3.2,1.6) G1(-3.2,0.8) G2(-2.4,0.8) G3(-1.6,0.8) G7(1.6,0.8) G8(2.4,0.8) G9(3.2,0.8) H1(-3.2,0) H2(-2.4,0) H3(-1.6,0) H7(1.6,0) H8(2.4,0) H9(3.2,0) J1(-3.2,-0.8) J2(-2.4,-0.8) J3(-1.6,-0.8) J7(1.6,-0.8) J8(2.4,-0.8) J9(3.2,-0.8) K2(-2.4,-1.6) K3(-1.6,-1.6) K7(1.6,-1.6) K8(2.4,-1.6) K9(3.2,-1.6) L1(-3.2,-2.4) L2(-2.4,-2.4) L3(-1.6,-2.4) L7(1.6,-2.4) L8(2.4,-2.4) M2(-2.4,-3.2) M3(-1.6,-3.2) M7(1.6,-3.2) M8(2.4,-3.2) M9(3.2,-3.2) N1(-3.2,-4) N2(-2.4,-4) N3(-1.6,-4) N7(1.6,-4) N8(2.4,-4) P2(-2.4,-4.8) P3(-1.6,-4.8) P7(1.6,-4.8) P8(2.4,-4.8) P9(3.2,-4.8) R1(-3.2,-5.6) R2(-2.4,-5.6) R3(-1.6,-5.6) R7(1.6,-5.6) R8(2.4,-5.6)
  Top Layer lines w0.178: -4,-6.885 -4,-6.26 ; -4.01,-6.25 -4.635,-6.25 ; 4.625,6.25 4,6.25 4,6.875
  silkscreen extent -4.7,-6.25 4,6.25, body extent -4,-6.25 4,6.25, height 1.11
C0603 [mm] "Chip Capacitor, Body 1.6x0.8mm, IPC High Density"
  rect 0.8x0.9 smd: 1(-0.7,0) 2(0.7,0)
  body extent -0.8,-0.4 0.8,0.4, height 0.79
C0805 [mm] "Chip Capacitor, Body 2.0x1.3mm, IPC High Density"
  rect 1.1x1.4 smd: 1(-0.889,0) 2(0.889,0)
  body extent -1,-0.62 1,0.63, height 0.59
C1206 [mm]
  rect 1.25x1.7 smd: 1(-1.6,0) 2(1.6,0)
  silkscreen extent -0.76,-1.02 0.76,1.02, body extent -1.6,-0.8 1.6,0.8, height 0.77
C1210 [mm] "Chip Capacitor, Body 3.2x2.5mm, IPC High Density"
  rect 1.4x2.6 smd: 1(-1.524,0) 2(1.524,0)
  silkscreen extent -0.4,-1.2 0.4,1.2, body extent -1.6,-1.25 1.6,1.25, height 0.77
"Coilcraft MSS1038" [mm]
  rect 1.905x3.56 smd: 1(-4.826,0) 2(4.826,0)
  silkscreen extent -5.3,-5.2 5.3,5.2, body extent -5.11,-5 5.1,5, height 3.8
"Coilcraft MSS1048" [mm]
  rect 1.905x3.56 smd: 1(-4.826,0) 2(4.826,0)
  silkscreen extent -5.3,-5.2 5.3,5.2, body extent -5.15,-5.1 5.15,5.1, height 5.08
"Control Point" [mm]
  round 1.5 smd: 1(0,0)
  silkscreen extent -1.2,-1.2 1.2,1.2
CTS_CB3 [mm]
  rect 1.8x2 smd: 1(-2.54,-2.1) 2(2.54,-2.1) 3(2.54,2.1) 4(-2.54,2.1)
  silkscreen extent -1.2,-3 1.2,3, body extent -3.5,-2.5 3.5,2.5, height 1.71
CVHD-950 [mil]
  rect 120x50 smd: 1(0,0)
  oval 120x50 smd: 2(0,-200) 3(300,-200) 4(300,0)
  silkscreen extent -80,-385 335,185, body extent -30,-380 330,179, height 209
DC_CONNECTOR [mil]
  round 80 hole 80 unplated: 0(-7.87,-141.73)
  oval 80x60 hole 30 slot 50 at 0 deg: 1(-7.87,271.65) 3(-7.87,35.43)
  oval 60x80 hole 30 slot 50 at 90 deg: 2(177.16,153.54)
  silkscreen extent -197,-200 197,434, body extent -185,-299 185,299, height 79
Diode_SMC [mm]
  rect 2.5x4 smd: 1(-3.81,0) 2(3.81,0)
  silkscreen extent -5.08,-3.18 4.19,3.17, body extent -4.06,-3.15 4.06,3.15, height 2.64
FAN_HDR [mm]
  round 2 hole 1: 1(-2.54,0) 2(0,0) 3(2.54,0)
  silkscreen extent -4.06,-2.79 4.06,3.56, body extent -3.75,-2.54 3.75,3.26, height 11.6